# Altium PCB LimeSDR-X3_1v1.PcbDoc (part 7 of 25)
Units mm, origin at the board's own origin, x right, y up, seen from the top; angles counter-clockwise.
Board outline 232.5 x 111.15 mm, 12 copper layers (Top, L2, L3, L4, L5, L6, L7, L8, L9, L10, L11, Bottom), stack 1.596 mm thick; 2068 components, 1388 nets, 8930 pads, 3646 vias.
Unrouted connection lines stored in the file: 1.
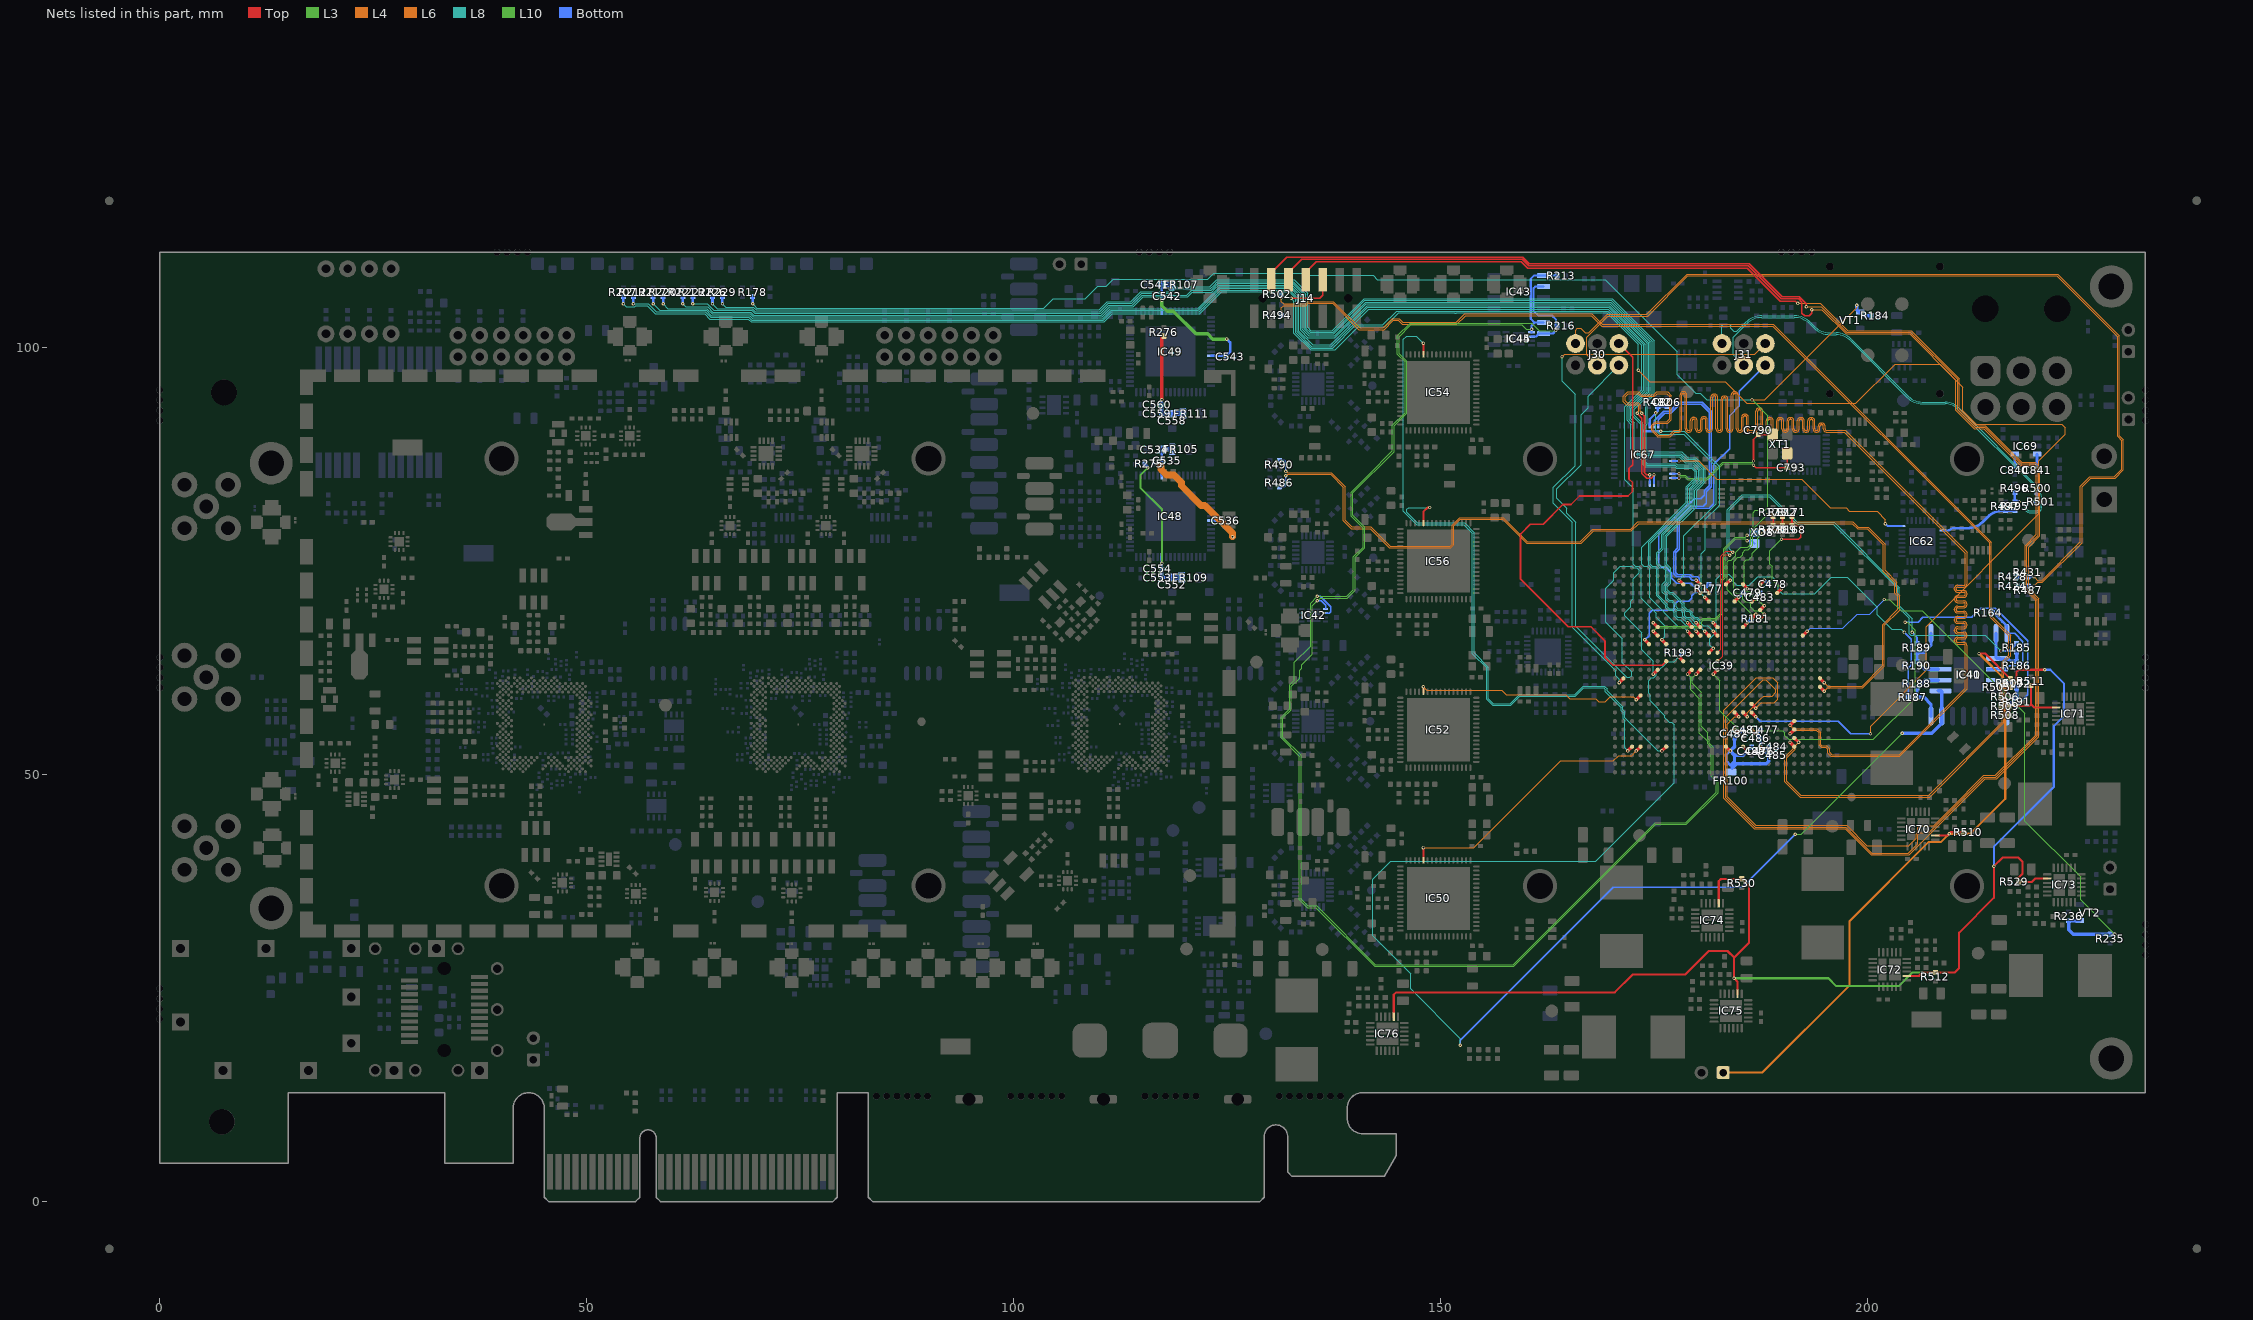
[diagram p17: the nets of this part, all layers, seen from the top]

## Via types
v1: diameter 0.4, hole 0.2, Top to Bottom, tented both sides, 3063 vias
v2: diameter 0.35, hole 0.2, Top to Bottom, tented both sides, 272 vias
v3: diameter 0.5, hole 0.2, Top to Bottom, tented bottom, 196 vias
v4: diameter 0.5, hole 0.2, Top to Bottom, tented both sides, 102 vias
v5: diameter 0.8, hole 0.4, Top to Bottom, tented both sides, 13 vias

## Nets (pads, with @x,y where several pads share a name; then routed paths per layer and width w, separated by ;. In a path a pad name is that pad's centre, name@x,y a point inside that pad or via, vN(x,y) a via of type N, cw(c..) or ccw(c..) an arc to the next point about the centre after c; other vN are vias at no path point) (continued)
CDCM_LMS2_BB_DAC2_REFC_N: IC39.F5 IC67.16 | length 184.7
  Top w0.2: v1(173,92.325) 173,92.271 173.1,92.171 173.1,92.159 173.525,91.734 173.525,85.25 174.079,84.696 174.616,84.696 174.85,84.93 174.85,84.942 174.95,85.042 v1(174.95,85.096)
  Top w0.4: v1(190.875,54.775) IC39.F5@191.375,55.275
  L4 w0.1: v1(173,92.325) 173,92.384 173.15,92.534 173.15,93.175 173,93.325 171.717,93.325 171.375,93.667 171.375,94.333 171.867,94.825 173.158,94.825 173.483,94.5 174.917,94.5 175.242,94.825 176.533,94.825 176.975,94.383 176.975,91.567 176.533,91.125 175.175,91.125 174.875,90.825 174.875,90.328 175.453,89.75 176.759,89.75 177.309,90.3 177.83,90.3 ccw(c177.83,90.47) 178,90.47 178,94.455 cw(c178.37,94.455) 178.37,94.825 178.43,94.825 cw(c178.43,94.455) 178.8,94.455 178.8,90.47 ccw(c178.97,90.47) 178.97,90.3 179.03,90.3 ccw(c179.03,90.47) 179.2,90.47 179.2,91.455 cw(c179.57,91.455) 179.57,91.825 179.63,91.825 cw(c179.63,91.455) 180,91.455 180,90.47 ccw(c180.17,90.47) 180.17,90.3 180.23,90.3 ccw(c180.23,90.47) 180.4,90.47 180.4,91.53 cw(c180.77,91.53) 180.77,91.9 180.83,91.9 cw(c180.83,91.53) 181.2,91.53 181.2,90.47 ccw(c181.37,90.47) 181.37,90.3 181.43,90.3 ccw(c181.43,90.47) 181.6,90.47 181.6,94.18 cw(c181.97,94.18) 181.97,94.55 182.03,94.55 cw(c182.03,94.18) 182.4,94.18 182.4,90.47 ccw(c182.57,90.47) 182.57,90.3 182.63,90.3 ccw(c182.63,90.47) 182.8,90.47 182.8,93.955 cw(c183.17,93.955) 183.17,94.325 183.23,94.325 cw(c183.23,93.955) 183.6,93.955 183.6,90.47 ccw(c183.77,90.47) 183.77,90.3 183.83,90.3 ccw(c183.83,90.47) 184,90.47 184,94.455 cw(c184.37,94.455) 184.37,94.825 184.43,94.825 cw(c184.43,94.455) 184.8,94.455 184.8,90.47 ccw(c184.97,90.47) 184.97,90.3 185.03,90.3 ccw(c185.03,90.47) 185.2,90.47 185.2,91.832 cw(c185.57,91.832) 185.57,92.202 185.63,92.202 cw(c185.63,91.832) 186,91.832 186,90.47 ccw(c186.17,90.47) 186.17,90.3 186.705,90.3 ccw(c186.705,90.474) 186.879,90.474 186.879,92.55 cw(c187.253,92.55) 187.253,92.924 187.313,92.924 cw(c187.313,92.55) 187.687,92.55 187.687,90.474 ccw(c187.861,90.474) 187.861,90.3 187.921,90.3 ccw(c187.921,90.474) 188.095,90.474 188.095,91.445 cw(c188.469,91.445) 188.469,91.819 188.529,91.819 cw(c188.529,91.445) 188.903,91.445 188.903,90.474 ccw(c189.077,90.474) 189.077,90.3 189.137,90.3 ccw(c189.137,90.474) 189.311,90.474 189.311,91.426 cw(c189.685,91.426) 189.685,91.8 189.745,91.8 cw(c189.745,91.426) 190.119,91.426 190.119,90.474 ccw(c190.293,90.474) 190.293,90.3 190.353,90.3 ccw(c190.353,90.474) 190.527,90.474 190.527,91.426 cw(c190.901,91.426) 190.901,91.8 190.961,91.8 cw(c190.961,91.426) 191.335,91.426 191.335,90.474 ccw(c191.509,90.474) 191.509,90.3 191.569,90.3 ccw(c191.569,90.474) 191.743,90.474 191.743,91.426 cw(c192.117,91.426) 192.117,91.8 192.177,91.8 cw(c192.177,91.426) 192.551,91.426 192.551,90.474 ccw(c192.725,90.474) 192.725,90.3 192.785,90.3 ccw(c192.785,90.474) 192.959,90.474 192.959,91.426 cw(c193.333,91.426) 193.333,91.8 193.393,91.8 cw(c193.393,91.426) 193.767,91.426 193.767,90.474 ccw(c193.941,90.474) 193.941,90.3 194.001,90.3 ccw(c194.001,90.474) 194.175,90.474 194.175,90.794 cw(c194.549,90.794) 194.549,91.167 194.609,91.167 cw(c194.609,90.794) 194.983,90.794 194.983,90.474 ccw(c195.157,90.474) 195.157,90.3 195.325,90.3 197.322,90.3 211.6,76.022 211.6,72.341 cw(c211.226,72.341) 211.226,71.967 210.499,71.967 ccw(c210.499,71.793) 210.325,71.793 210.325,71.733 ccw(c210.499,71.733) 210.499,71.559 211.226,71.559 cw(c211.226,71.185) 211.6,71.185 211.6,71.125 cw(c211.226,71.125) 211.226,70.751 210.499,70.751 ccw(c210.499,70.577) 210.325,70.577 210.325,70.517 ccw(c210.499,70.517) 210.499,70.343 211.226,70.343 cw(c211.226,69.969) 211.6,69.969 211.6,69.909 cw(c211.226,69.909) 211.226,69.535 210.499,69.535 ccw(c210.499,69.361) 210.325,69.361 210.325,69.301 ccw(c210.499,69.301) 210.499,69.127 211.226,69.127 cw(c211.226,68.753) 211.6,68.753 211.6,68.693 cw(c211.226,68.693) 211.226,68.319 210.499,68.319 ccw(c210.499,68.145) 210.325,68.145 210.325,68.085 ccw(c210.499,68.085) 210.499,67.911 211.226,67.911 cw(c211.226,67.537) 211.6,67.537 211.6,67.477 cw(c211.226,67.477) 211.226,67.103 210.499,67.103 ccw(c210.499,66.929) 210.325,66.929 210.325,66.869 ccw(c210.499,66.869) 210.499,66.695 211.226,66.695 cw(c211.226,66.321) 211.6,66.321 211.6,66.261 cw(c211.226,66.261) 211.226,65.887 210.499,65.887 ccw(c210.499,65.713) 210.325,65.713 210.325,65.653 ccw(c210.499,65.653) 210.499,65.479 211.226,65.479 cw(c211.226,65.105) 211.6,65.105 211.6,60.025 203.725,52.15 195.667,52.15 195.3,52.517 195.3,52.95 195.075,53.175 194.525,53.175 194.275,53.425 194.275,54.875 193.975,55.175 191.275,55.175 v1(190.875,54.775)
  Bottom w0.2: IC67.16@174.95,84.075 v1(174.95,85.096)
CDCM_LMS2_BB_DAC2_REFC_P: IC39.G5 IC67.17 | length 182.4
  Top w0.2: v1(173.5,92.325) 173.825,92 173.825,85.374 174.103,85.096 v1(174.45,85.096)
  Top w0.4: v1(190.875,55.775) IC39.G5@191.375,56.275
  L4 w0.1: v1(173.5,92.325) 173.5,92.384 173.35,92.534 173.35,93.258 173.083,93.525 171.8,93.525 171.575,93.75 171.575,94.25 171.95,94.625 173.075,94.625 173.4,94.3 175,94.3 175.325,94.625 176.45,94.625 176.775,94.3 176.775,91.65 176.45,91.325 175.092,91.325 174.675,90.908 174.675,90.245 175.37,89.55 176.842,89.55 177.392,90.1 177.83,90.1 ccw(c177.83,90.47) 178.2,90.47 178.2,94.455 cw(c178.37,94.455) 178.37,94.625 178.43,94.625 cw(c178.43,94.455) 178.6,94.455 178.6,90.47 ccw(c178.97,90.47) 178.97,90.1 179.03,90.1 ccw(c179.03,90.47) 179.4,90.47 179.4,91.455 cw(c179.57,91.455) 179.57,91.625 179.63,91.625 cw(c179.63,91.455) 179.8,91.455 179.8,90.47 ccw(c180.17,90.47) 180.17,90.1 180.23,90.1 ccw(c180.23,90.47) 180.6,90.47 180.6,91.53 cw(c180.77,91.53) 180.77,91.7 180.83,91.7 cw(c180.83,91.53) 181,91.53 181,90.47 ccw(c181.37,90.47) 181.37,90.1 181.43,90.1 ccw(c181.43,90.47) 181.8,90.47 181.8,94.18 cw(c181.97,94.18) 181.97,94.35 182.03,94.35 cw(c182.03,94.18) 182.2,94.18 182.2,90.47 ccw(c182.57,90.47) 182.57,90.1 182.63,90.1 ccw(c182.63,90.47) 183,90.47 183,93.955 cw(c183.17,93.955) 183.17,94.125 183.23,94.125 cw(c183.23,93.955) 183.4,93.955 183.4,90.47 ccw(c183.77,90.47) 183.77,90.1 183.83,90.1 ccw(c183.83,90.47) 184.2,90.47 184.2,94.455 cw(c184.37,94.455) 184.37,94.625 184.43,94.625 cw(c184.43,94.455) 184.6,94.455 184.6,90.47 ccw(c184.97,90.47) 184.97,90.1 185.03,90.1 ccw(c185.03,90.47) 185.4,90.47 185.4,91.832 cw(c185.57,91.832) 185.57,92.002 185.63,92.002 cw(c185.63,91.832) 185.8,91.832 185.8,90.47 ccw(c186.17,90.47) 186.17,90.1 186.705,90.1 ccw(c186.705,90.474) 187.079,90.474 187.079,92.55 cw(c187.253,92.55) 187.253,92.724 187.313,92.724 cw(c187.313,92.55) 187.487,92.55 187.487,90.474 ccw(c187.861,90.474) 187.861,90.1 187.921,90.1 ccw(c187.921,90.474) 188.295,90.474 188.295,91.445 cw(c188.469,91.445) 188.469,91.619 188.529,91.619 cw(c188.529,91.445) 188.703,91.445 188.703,90.474 ccw(c189.077,90.474) 189.077,90.1 189.137,90.1 ccw(c189.137,90.474) 189.511,90.474 189.511,91.426 cw(c189.685,91.426) 189.685,91.6 189.745,91.6 cw(c189.745,91.426) 189.919,91.426 189.919,90.474 ccw(c190.293,90.474) 190.293,90.1 190.353,90.1 ccw(c190.353,90.474) 190.727,90.474 190.727,91.426 cw(c190.901,91.426) 190.901,91.6 190.961,91.6 cw(c190.961,91.426) 191.135,91.426 191.135,90.474 ccw(c191.509,90.474) 191.509,90.1 191.569,90.1 ccw(c191.569,90.474) 191.943,90.474 191.943,91.426 cw(c192.117,91.426) 192.117,91.6 192.177,91.6 cw(c192.177,91.426) 192.351,91.426 192.351,90.474 ccw(c192.725,90.474) 192.725,90.1 192.785,90.1 ccw(c192.785,90.474) 193.159,90.474 193.159,91.426 cw(c193.333,91.426) 193.333,91.6 193.393,91.6 cw(c193.393,91.426) 193.567,91.426 193.567,90.474 ccw(c193.941,90.474) 193.941,90.1 194.001,90.1 ccw(c194.001,90.474) 194.375,90.474 194.375,90.794 cw(c194.549,90.794) 194.549,90.967 194.609,90.967 cw(c194.609,90.794) 194.783,90.794 194.783,90.474 ccw(c195.157,90.474) 195.157,90.1 195.408,90.1 197.239,90.1 211.4,75.939 211.4,72.341 cw(c211.226,72.341) 211.226,72.167 210.499,72.167 ccw(c210.499,71.793) 210.125,71.793 210.125,71.733 ccw(c210.499,71.733) 210.499,71.359 211.226,71.359 cw(c211.226,71.185) 211.4,71.185 211.4,71.125 cw(c211.226,71.125) 211.226,70.951 210.499,70.951 ccw(c210.499,70.577) 210.125,70.577 210.125,70.517 ccw(c210.499,70.517) 210.499,70.143 211.226,70.143 cw(c211.226,69.969) 211.4,69.969 211.4,69.909 cw(c211.226,69.909) 211.226,69.735 210.499,69.735 ccw(c210.499,69.361) 210.125,69.361 210.125,69.301 ccw(c210.499,69.301) 210.499,68.927 211.226,68.927 cw(c211.226,68.753) 211.4,68.753 211.4,68.693 cw(c211.226,68.693) 211.226,68.519 210.499,68.519 ccw(c210.499,68.145) 210.125,68.145 210.125,68.085 ccw(c210.499,68.085) 210.499,67.711 211.226,67.711 cw(c211.226,67.537) 211.4,67.537 211.4,67.477 cw(c211.226,67.477) 211.226,67.303 210.499,67.303 ccw(c210.499,66.929) 210.125,66.929 210.125,66.869 ccw(c210.499,66.869) 210.499,66.495 211.226,66.495 cw(c211.226,66.321) 211.4,66.321 211.4,66.261 cw(c211.226,66.261) 211.226,66.087 210.499,66.087 ccw(c210.499,65.713) 210.125,65.713 210.125,65.653 ccw(c210.499,65.653) 210.499,65.279 211.226,65.279 cw(c211.226,65.105) 211.4,65.105 211.4,60.108 203.642,52.35 195.75,52.35 195.5,52.6 195.5,53.033 195.158,53.375 194.608,53.375 194.475,53.508 194.475,54.958 194.058,55.375 191.275,55.375 v1(190.875,55.775)
  Bottom w0.2: IC67.17@174.45,84.075 v1(174.45,85.096)
CDCM_PRI_REF: IC62.8 IC67.8 | length 30.3
  L6 w0.1: v1(177.871,86.725) 180.175,86.725 182.3,84.6 192.225,84.6 195.6,81.225 197.45,81.225 197.825,80.85 201.07,80.85 202.05,79.87 v1(202.05,79.375)
  Bottom w0.2: IC67.8@177.1,86.725 v1(177.871,86.725)
  Bottom w0.25: v1(202.05,79.375) 202.325,79.1 IC62.8@203.975,79.1
CDCM_RESET_N: C806.2 IC39.AC18 IC67.44 R482.1 | length 30.3
  Top w0.4: v1(177.875,72.775) IC39.AC18@178.375,72.275
  L8 w0.1: v1(175.15,92.35) 175.15,90.299 175.599,89.85 178.433,89.85 182.225,86.058 182.225,81.726 178.45,77.951 178.45,73.35 v1(177.875,72.775)
  Bottom w0.25: IC67.44@174.45,90.875 174.45,91.625 175.385,92.56 R482.1@175.385,93.089 C806.2@176.435,93.089
CDCM_SEC_REF_N: C793.2 IC67.12 XT1.3 | length 16.6
  Top w0.2: v1(186.6,86.225) 186.889,85.936 C793.2@190.539,85.936 XT1.3@190.539,87.61
  L10 w0.1: v1(177.871,84.725) 178.021,84.875 178.55,84.875 178.9,84.525 181.208,84.525 183.058,86.375 186.45,86.375 v1(186.6,86.225)
  Bottom w0.2: IC67.12@177.1,84.725 v1(177.871,84.725)
  Bottom w0.25: IC67.12@177.1,84.725 IC67.12@177.399,84.725
CDCM_SEC_REF_P: C790.2 IC67.11 XT1.1 | length 15.5
  Top w0.2: v1(186.6,86.725) 186.6,89.245 C790.2@187.165,89.81 XT1.1@188.839,89.81
  L10 w0.1: v1(177.871,85.225) 178.021,85.075 178.633,85.075 178.983,84.725 181.125,84.725 182.975,86.575 186.45,86.575 v1(186.6,86.725)
  Bottom w0.2: IC67.11@177.1,85.225 v1(177.871,85.225)
CDCM_STATUS0: IC39.AB16 IC67.46 | length 35.1
  Top w0.4: v1(179.875,71.775) IC39.AB16@180.375,71.275
  Bottom w0.15: IC67.46@175.45,90.875 175.45,91.575 176.2,92.325 176.925,92.325 177.95,93.35 180.502,93.35 181.425,92.427 181.425,83.83 180.825,83.23 180.825,82.734 180.414,82.323 179.664,82.323 175.5,78.159 175.5,74.62 175.845,74.275 176.325,74.275 177,73.6 177,73.001 177.601,72.4 179.25,72.4 v1(179.875,71.775)
CDCM_STATUS1: IC39.AC16 IC67.45 | length 34
  Top w0.4: v1(179.875,72.775) IC39.AC16@180.375,72.275
  Bottom w0.15: IC67.45@174.95,90.875 174.95,91.429 176.096,92.575 176.775,92.575 177.8,93.6 180.606,93.6 181.675,92.531 181.675,83.726 181.075,83.126 181.075,82.13 181.075,81.8 180.7,81.425 179.18,81.425 178.88,81.125 178.82,81.125 178.82,81.065 177.675,79.92 177.675,76.479 177.25,76.054 177.25,73.516 177.616,73.15 179.05,73.15 179.425,72.775 v1(179.875,72.775)
CDCM_SYNCN: IC39.AA15 IC67.42 | length 28.4
  Top w0.4: v1(180.875,70.775) IC39.AA15@181.375,70.275
  L8 w0.1: v1(175.75,90.2) 178.475,90.2 182.625,86.05 182.625,81.561 180.95,79.886 180.95,76.35 180.475,75.875 180.475,71.175 v1(180.875,70.775)
  Bottom w0.25: IC67.42@173.45,90.875 173.45,90.475 173.725,90.2 v1(175.75,90.2)
CLK100_FPGA_N: IC39.V21 XO8.5 | length 21.7
  Top w0.4: v1(174.875,67.775) IC39.V21@175.375,67.275
  L3 w0.1: v1(174.875,67.775) 175.275,67.375 180.05,67.375 180.325,67.65 180.325,68.003 180.647,68.325 182.175,68.325 182.825,68.975 182.825,72.833 183.1,73.108 183.1,76.445 184.46,77.805 185.63,77.805 v1(185.85,78.025)
  Bottom w0.2: v1(185.85,78.025) 186.4,78.025 XO8.5@186.725,78.35
CLK100_FPGA_P: IC39.U21 XO8.4 | length 21.7
  Top w0.4: v1(174.875,66.775) IC39.U21@175.375,66.275
  L3 w0.1: v1(174.875,66.775) 175.275,67.175 180.133,67.175 180.525,67.567 180.525,67.92 180.73,68.125 182.258,68.125 183.025,68.892 183.025,72.75 183.3,73.025 183.3,76.362 184.543,77.605 185.63,77.605 v1(185.85,77.385)
  Bottom w0.2: v1(185.85,77.385) 186.4,77.385 XO8.4@186.725,77.06
DVDD1P8_LMS2_BB_DAC1: C534.2 C535.2 C536.2 FR105.2 IC48.41 IC48.61 | length 20.7
  L6 w0.8: v1@117.225,86.175 117.225,85.75 117.879,85.096 118.729,85.096 119.6,84.225 119.6,83.825 121.9,81.525 122.35,81.525 125.6,78.275 v1(125.6,77.85)
  Bottom w0.3: IC48.41@117.328,85.003 v1(117.328,86.175) 117.328,88.003 C534.2@117.402,88.077 ; IC48.61@123.078,79.753 C536.2@124.327,79.752 ; C536.2@124.327,79.752 124.327,79.223 124.725,78.825 125.125,78.825 125.6,78.35 v1(125.6,77.85)
  Bottom w0.6: C534.2@117.365,88.114 C534.2@117.402,88.077 ; C534.2@117.402,88.114 FR105.2@118.504,88.114
DVDD1P8_LMS2_BB_DAC2: C541.2 C542.2 C543.2 FR107.2 IC49.41 IC49.61 | length 18.1
  L3 w0.4: v1(117.328,105.567) 117.328,104.897 117.975,104.25 118.668,104.25 121.318,101.6 122.675,101.6 123.275,101 v1(124.925,101)
  Bottom w0.3: IC49.41@117.328,104.278 v1(117.328,105.567) C541.2@117.328,107.278 ; IC49.61@123.078,99.028 124.852,99.028 125.325,99.501 125.325,100.6 v1(124.925,101)
  Bottom w0.6: C541.2@117.402,107.389 FR107.2@118.504,107.389
DVDD3P3_LMS2_BB_DAC1: C552.2 C553.2 C554.2 FR109.2 IC48.11 R275.2 | length 18
  L3 w0.25: v1(115.684,85.925) 114.8,85.041 114.8,83.6 117.328,81.072 v1(117.328,74.75)
  Bottom w0.25: R275.2@115.327,86.402 115.684,86.046 v1(115.684,85.925)
  Bottom w0.3: C554.2@117.328,74.078 v1(117.328,74.75) IC48.11@117.328,75.503
  Bottom w0.4: C554.2@117.327,74.077 117.302,74.052 117.302,73.077 C552.2@118.527,73.077
  Bottom w0.6: C552.2@118.527,73.077 FR109.2@119.629,73.077
DVDD3P3_LMS2_BB_DAC2: C558.2 C559.2 C560.2 FR111.2 IC49.11 R276.2 | length 12.2
  Top w0.4: v1(117.328,93.9) 117.328,101.103 R276.2@117.55,101.325
  Bottom w0.3: C560.2@117.328,93.353 v1(117.328,93.9) IC49.11@117.328,94.778
  Bottom w0.4: C559.2@117.302,92.227 C560.2@117.302,93.302 117.302,93.327 C560.2@117.327,93.352 ; C559.2@117.327,92.265 C558.2@118.427,92.265
  Bottom w0.6: C558.2@118.727,92.265 FR111.2@119.777,92.265
ECO_N: C841.1 IC69.3 | length 1.4
  Bottom w0.325: C841.1@219.8,86.125 IC69.3@219.8,87.525
ECO_P: C840.1 IC69.4 | length 1.4
  Bottom w0.325: C840.1@217.2,86.125 IC69.4@217.2,87.525
EN_REG: IC72.20 IC73.20 IC74.20 IC75.20 IC76.20 R505.2 R506.1 R507.2 R509.1 R512.2 R529.2 R530.2 | length 154.8
  Top w0.25: IC76.20@144.475,21.65 144.475,24.225 144.75,24.5 170.35,24.5 172.425,26.575 178.575,26.575 181.35,29.35 183.55,29.35 184.325,28.575 ; IC74.20@182.526,34.93 182.526,37.505 182.801,37.78 185.205,37.78 R530.2@185.225,37.8 186.075,36.95 186.075,30.325 184.325,28.575 ; IC75.20@184.725,24.325 184.725,25.75 v1(184.325,26.15) 184.325,28.575 ; IC72.20@204.55,26.425 205.975,26.425 v1(206.375,26.825) R512.2@207.9,26.825 210.15,26.825 210.675,27.35 210.675,31.5 214.75,35.575 v1(214.75,39.275) 215.775,40.3 217.6,40.3 218.1,39.8 218.1,38.405 217.65,37.955 R529.2@217.65,37.425 219.175,37.425 219.575,37.825 IC73.20@221,37.825 ; R509.1@215.575,58.025 R506.1@215.575,59.125 R505.2@215.575,60.225 R507.2@216.675,60.225 217.375,60.925 217.375,61.975 217.675,62.275 v1(220.7,62.275)
  L3 w0.25: v1(184.325,26.15) 195.375,26.15 196.3,25.225 203.6,25.225 205.2,26.825 v1(206.375,26.825)
  Bottom w0.25: v1(214.75,39.275) 214.75,41.55 221.75,48.55 221.75,55.675 222.975,56.9 222.975,60.65 221.35,62.275 v1(220.7,62.275)
EN_VCC1P0: IC71.20 R508.1 R509.2 R511.2 | length 9
  Top w0.25: R508.1@216.575,56.925 R509.2@216.575,58.025 218.9,58.025 219.1,58.225 ; R511.2@219.1,60.45 219.1,58.225 ; IC71.20@222.025,57.875 219.45,57.875 219.1,58.225
EN_VCC1P0_INT: IC70.20 J32.1 R507.1 R510.1 | length 77.4
  Top w0.25: IC70.20@207.9,42.875 209.325,42.875 v1(209.525,43.075) 209.725,43.275 R510.1@211.25,43.275 ; v1(213,64.175) 213.725,64.175 R507.1@216.675,61.225
  L6 w0.25: J32.1@183.045,15.1 187.6,15.1 197.85,25.35 197.85,32.85 207.125,42.125 208.575,42.125 v1(209.525,43.075) 211.975,43.075 216.075,47.175 216.075,61.1 v1(213,64.175)
  Bottom w0.25: J32.1@183.045,15.1 J32.1@183.05,15.1
EXT_CLK_IN_N: J30.3 R428.2 R431.2 | length 109.3
  L6 w0.1: J30.3@168.3,97.935 167.05,99.185 167.05,101.2 169.55,103.7 174.208,103.7 178.908,108.4 222.125,108.4 229.225,101.3 229.225,89.592 229.709,89.109 229.709,85.759 228.85,84.9 226,84.9 224.875,83.775 224.875,77.25 220.35,72.725 219.9,72.725 v1(219.45,73.175)
  Bottom w0.2: R428.2@217.45,73.175 R431.2@218.725,73.175 v1(219.45,73.175)
EXT_CLK_IN_P: J30.2 R424.2 R487.2 | length 109.2
  L6 w0.1: J30.2@165.76,100.475 165.76,102.05 165.985,102.275 166.35,102.275 166.9,101.725 167.292,101.725 169.467,103.9 174.125,103.9 178.825,108.6 222.208,108.6 229.425,101.383 229.425,89.675 229.909,89.191 229.909,85.676 228.933,84.7 226.083,84.7 225.075,83.692 225.075,77.167 220.433,72.525 219.9,72.525 v1(219.45,72.075)
  Bottom w0.2: R424.2@217.45,72.075 R487.2@218.775,72.075 v1(219.45,72.075)
EXT_CLK_OUT: IC62.18 R495.2 R497.2 | length 9.1
  Bottom w0.25: IC62.18@208.775,78.6 209.373,78.6 ccw(c209.373,79.027) 209.675,78.725 cw(c209.977,78.423) 209.977,78.85 210.45,78.85
  Bottom w0.325: 210.45,78.85 211.648,78.85 ccw(c211.648,81.39) 213.444,79.594 214.031,80.181 cw(c215.827,78.385) 215.827,80.925 R497.2@216.1,80.925 R495.2@217.2,80.925
EXT_CLK_OUT_N: J31.3 R500.1 R501.2 | length 55
  L8 w0.1: J31.3@185.45,97.935 184.2,99.185 184.2,101.2 185.781,102.781 cw(c187.577,100.985) 187.577,103.525 191.373,103.525 cw(c191.373,100.985) 193.169,102.781 193.625,102.325 ccw(c195.556,104.256) 195.556,101.525 196.271,101.525 cw(c196.271,99.223) 197.899,100.851 204.598,94.152 ccw(c206.353,95.906) 206.353,93.425 209.04,93.425 cw(c209.04,91.47) 210.423,92.852 219.478,83.797 cw(c217.856,82.175) 220.15,82.175 220.15,81.325 cw(c219.7,81.325) 219.7,80.875 218.95,80.875 cw(c218.95,81.225) 218.6,81.225 218.6,81.375 cw(c219.15,81.375) 219.15,81.925 v1(219.256,81.925)
  Bottom w0.325: v1(219.256,81.925) R501.2@219.8,81.925 R500.1@219.8,83.025
EXT_CLK_OUT_P: J31.2 R495.1 R496.1 | length 55.9
  L8 w0.1: J31.2@182.91,100.475 182.91,102.585 183.075,102.75 183.75,102.75 183.925,102.575 183.925,102.275 184.3,101.9 184.617,101.9 185.64,102.923 cw(c187.576,100.988) 185.642,102.925 cw(c187.576,100.988) 187.576,103.725 191.374,103.725 cw(c191.374,100.987) 193.31,102.923 193.764,102.469 ccw(c195.56,104.265) 195.56,101.725 196.272,101.725 cw(c196.272,99.225) 198.04,100.993 204.739,94.294 ccw(c206.354,95.909) 206.354,93.625 209.041,93.625 cw(c209.041,91.472) 210.563,92.994 219.678,83.88 cw(c218.057,82.258) 220.35,82.258 220.35,81.325 cw(c219.7,81.325) 219.7,80.675 218.95,80.675 cw(c218.95,81.225) 218.4,81.225 218.4,81.375 ccw(c217.85,81.375) 217.85,81.925 v1(217.744,81.925)
  Bottom w0.325: R496.1@217.2,83.025 R495.1@217.2,81.925 v1(217.744,81.925)
EXT_PPS_IN: IC39.N21 J30.5 | length 75.7
  Top w0.4: v1(174.875,61.775) IC39.N21@175.375,62.275
  L8 w0.1: J30.5@170.84,97.935 167.225,94.32 167.225,92.95 166.4,92.125 166.4,86.275 163.575,83.45 163.575,82.375 164.75,81.2 164.75,80.575 165.775,79.55 165.775,67.37 171.77,61.375 172.1,61.375 172.325,61.6 172.325,62.025 171.25,63.1 171.25,65.895 169.325,67.82 169.325,71.85 170.225,72.75 170.225,73.65 170.975,74.4 172.35,74.4 172.525,74.225 172.92,74.225 173.225,73.92 173.225,73.625 172.525,72.925 172.525,70.575 172.225,70.275 172.225,69.63 171.525,68.93 171.525,68.62 173.525,66.62 173.525,64.625 174.875,63.275 v1(174.875,61.775)
EXT_PPS_OUT: IC39.T22 J31.5 | length 45.8